# KiCad board Video Timer.kicad_pcb (continued)
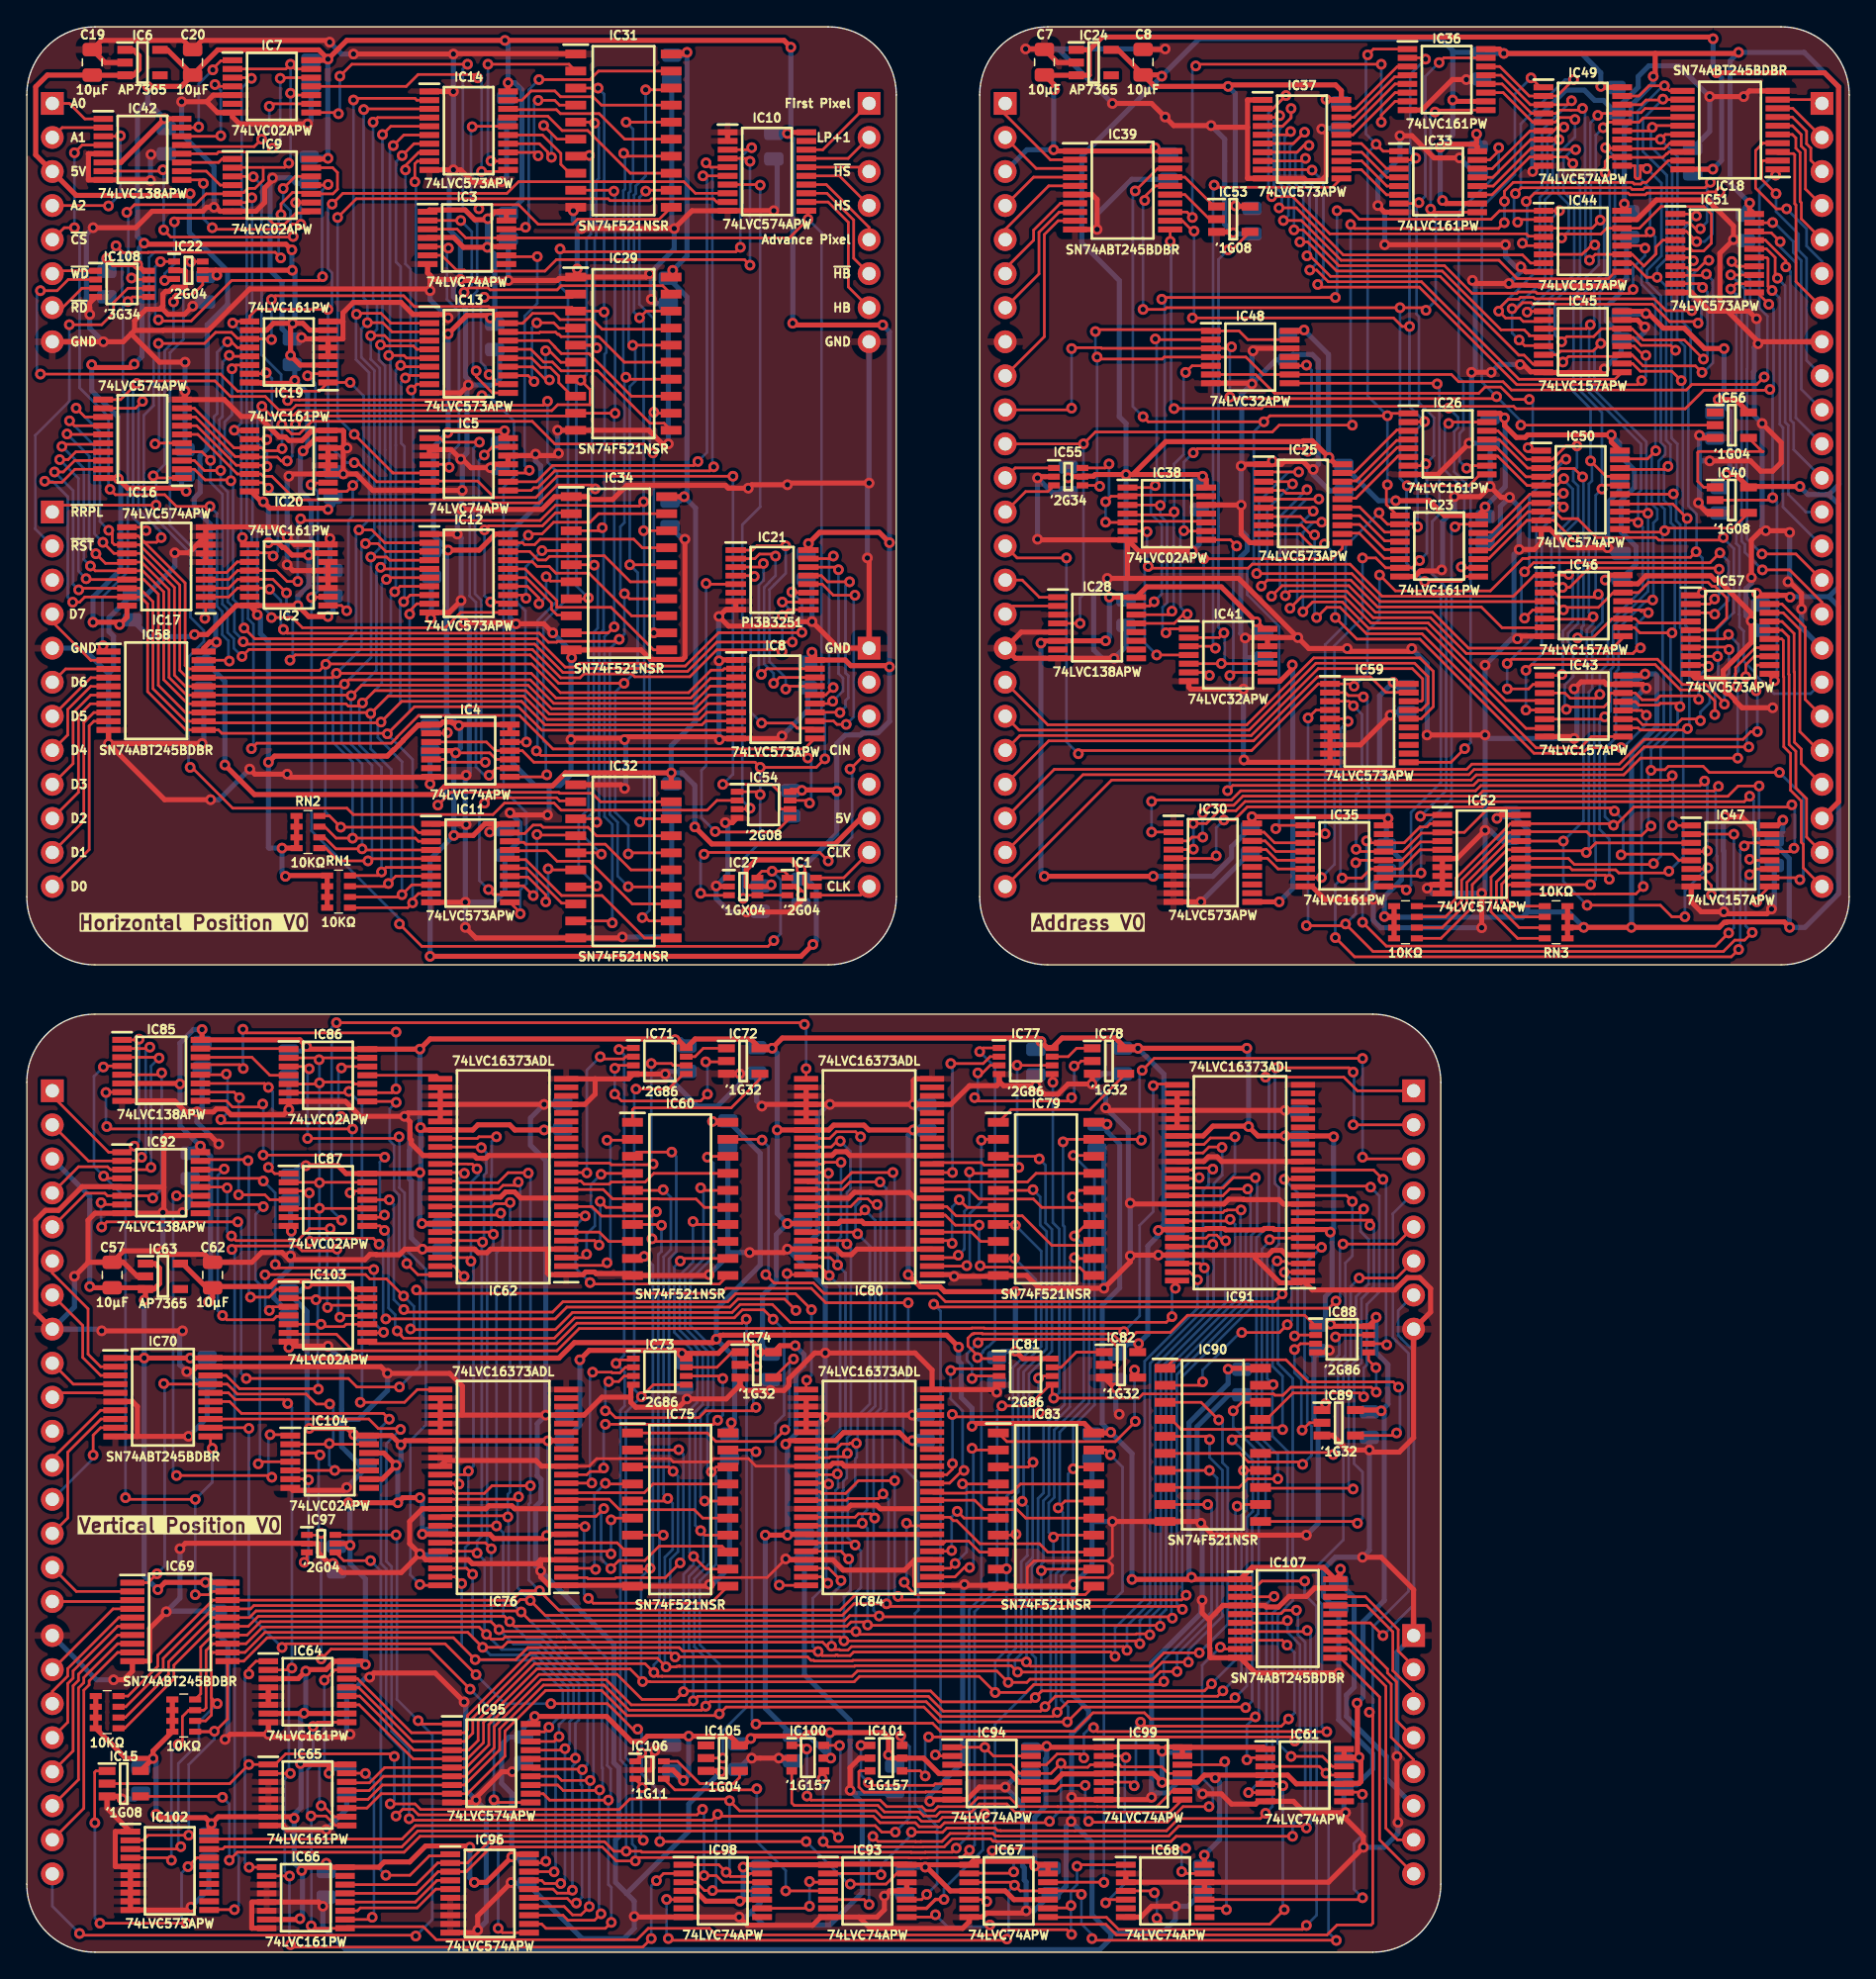
[diagram p0: board, top side]
## Routing (per net, layer and track width the routed paths; a pad name or vN(x,y) marks a point on that pad's centre or on a via; arc(x,y) is an arc through that point) (continued)
/Vertical Position/First Pixel: length 86.2
  Top w0.2: IC64.2 19.64,21.06 v1(19.78,21.2) ; v1(46.61,1.02) 45.97,0.38 19.87,0.38 v1(19.69,0.56) ; IC66.2 19.6,5.69 v1(19.61,5.68) ; v1(46.99,5.33) 47.53,5.87 IC98.2 ; IC70.16 15.05,41.73 15.54,41.24 19.17,41.24 v1(19.47,40.94) ; 18.05,13.33 v1(19.67,13.33)
  Bottom w0.2: v1(19.69,0.56) 19.61,0.64 v1(19.61,5.68) 19.25,6.04 19.25,12.92 v1(19.67,13.33) 19.56,13.45 19.56,20.97 v1(19.78,21.2) 19.78,40.63 v1(19.47,40.94) ; v1(46.61,1.02) 46.61,4.95 v1(46.99,5.33)
/Vertical Position/First Pixel _{HALF CYCLE}: length 83.2
  Top w0.2: v1(47.75,3.94) 47.77,3.92 IC98.5 ; 70.55,5.22 73.5,5.22 v1(73.72,5) 74.14,4.57 IC67.11 78.46,4.57 v1(78.71,4.32) ; v1(97.74,0.88) 97.72,0.89 79.63,0.89 v1(79.5,1.02) ; v1(73.15,0.98) 73.06,0.89 48.01,0.89 v1(47.88,1.02) ; IC61.3 96.46,13.86 v1(96.97,13.35) 97.11,13.21 IC61.11
  Bottom w0.2: v1(47.88,1.02) 47.75,1.14 v1(47.75,3.94) ; v1(73.15,0.98) 73.28,1.11 73.28,4.56 v1(73.72,5) ; v1(78.71,4.32) 78.71,2.11 79.5,1.32 v1(79.5,1.02) ; v1(97.74,0.88) 97.16,1.46 97.16,13.16 v1(96.97,13.35)
/Vertical Position/First Pixel _{IN}: length 5.4
  Top w0.2: 6.61,42.38 3.47,42.38 J11.9
/Vertical Position/First Row: length 51.2
  Top w0.2: 76.24,2.6 80.58,2.6 81.49,1.7 95.2,1.7 v1(95.5,2) ; v1(95.38,27.69) 92.18,27.69 91.67,27.17 IC107.2
  Bottom w0.2: v1(95.5,2) 96.26,2.76 96.26,25.79 95.38,26.68 v1(95.38,27.69)
/Vertical Position/First Row _{OUT}: length 8.9
  Top w0.2: 103.5,21.32 102.35,22.47 102.35,24.07 99.91,26.52 IC107.18
/Vertical Position/Front Porch Start D0: length 21.1
  Top w0.2: v1(48.76,29.04) 47.66,27.94 43.98,27.94 43.89,27.86 41.89,27.86 41.81,27.94 40.32,27.94 ; v1(48.65,37.49) 48.63,37.46 45.21,37.46
  Bottom w0.2: v1(48.65,37.49) 49,37.14 49,29.29 v1(48.76,29.04)
/Vertical Position/Front Porch Start D1: length 11.1
  Top w0.2: v1(43.18,34.98) 43.23,34.92 45.21,34.92 ; v1(42.45,28.56) 42.37,28.64 IC76.3
  Bottom w0.2: v1(42.45,28.56) 42.36,28.65 42.36,34.16 v1(43.18,34.98)
/Vertical Position/Front Porch Start D2: length 7.6
  Top w0.2: v1(43.6,32.25) 43.73,32.38 45.21,32.38 ; IC76.5 43.41,29.91 v1(43.6,29.72)
  Bottom w0.2: v1(43.6,32.25) v1(43.6,29.72)
/Vertical Position/Front Porch Start D3: length 4.8
  Top w0.2: 44.76,29.84 44.06,30.54 IC76.6
/Vertical Position/Front Porch Start D4: length 18
  Top w0.2: v1(41.91,26.4) 42.28,26.03 51.06,26.03 52.33,27.3 ; v1(41.66,31.75) 41.6,31.81 IC76.8
  Bottom w0.2: v1(41.91,26.4) 41.59,26.72 41.59,31.68 v1(41.66,31.75)
/Vertical Position/Front Porch Start D5: length 17.5
  Top w0.2: v1(43.06,33.09) 42.48,32.51 40.32,32.51 ; IC75.13 51.88,30.29 47.2,30.29 46.13,29.22 44.19,29.22 v1(43.59,28.62)
  Bottom w0.2: v1(43.59,28.62) 42.86,29.34 42.86,32.89 v1(43.06,33.09)
/Vertical Position/Front Porch Start D6: length 12.6
  Top w0.2: 40.33,33.79 43.46,33.79 44.24,33.01 49.82,33.01 50.45,32.38 IC75.15
/Vertical Position/Front Porch Start D7: length 12.3
  Top w0.2: IC75.17 46.74,34.92 46.09,34.28 40.33,34.28
/Vertical Position/Front Porch Start D8: length 13.5
  Top w0.2: IC76.13 42.16,34.99 v1(42.17,35) ; v1(42.23,43.27) 43.64,43.27 43.69,43.22 44.27,43.22 44.68,43.63 IC73.2
  Bottom w0.2: v1(42.17,35) 42.04,35.13 42.04,43.08 v1(42.23,43.27)
/Vertical Position/Front Porch Start D9: length 20.9
  Top w0.2: v1(43.05,36.12) 42.79,35.86 42.04,35.86 41.8,35.62 IC76.14 ; v1(43.18,39.39) 51.26,39.39 v1(51.56,39.69) ; IC73.6 51.76,42.98 v1(51.95,42.8)
  Bottom w0.2: v1(43.05,36.12) 43.05,39.26 v1(43.18,39.39) ; v1(51.95,42.8) 51.95,40.07 v1(51.56,39.69)
/Vertical Position/Horizontal Blank: length 30.9
  Top w0.2: v1(88.24,10.86) 86.3,10.86 85.13,9.69 79.31,9.69 v1(79.25,9.76) ; v1(78.99,12.45) 77.22,12.45 76.81,12.03 IC94.9 ; v1(89.08,22.76) 89.22,22.62 IC107.9
  Bottom w0.2: v1(78.99,12.45) 78.99,10.01 v1(79.25,9.76) ; v1(88.24,10.86) 88.52,11.14 88.52,12.19 87.72,12.99 87.72,21.4 v1(89.08,22.76)
/Vertical Position/Horizontal Blank _{IN}: length 64.7
  Top w0.2: v1(78.9,14.49) 78.6,14.79 76.9,14.79 76.1,13.98 IC94.12 ; v1(97.03,16.45) 94.5,16.45 94.49,16.46 79.91,16.46 v1(79.61,16.76) ; v1(99.45,50.29) 102.23,50.29 J12.6
  Bottom w0.2: v1(79.61,16.76) 79.37,16.76 78.9,16.28 v1(78.9,14.49) ; v1(99.45,50.29) 98.81,49.66 98.81,44.31 98.26,43.75 98.26,30.75 96.28,28.78 96.28,26.34 96.66,25.96 96.66,16.81 v1(97.03,16.45)
/Vertical Position/Horizontal Blank _{OUT}: length 18.4
  Top w0.2: J7.8 100.97,8.38 100.97,19.04 98.04,21.97
/Vertical Position/Horizontal Sync: length 10
  Top w0.2: IC101.1 62.26,15.43 v1(62.26,15.43) ; 68.95,12.56 67.81,12.56 67.69,12.45 63.02,12.45 v1(62.81,12.65)
  Bottom w0.2: v1(62.81,12.65) 62.26,13.21 v1(62.26,15.43)
/Vertical Position/Horizontal Sync _{IN}: length 75.9
  Top w0.2: v1(97.71,48.58) 97.18,48.04 92.75,48.04 92.66,48.13 67.9,48.13 v1(67.69,48.34) ; IC94.2 67.89,14.63 v1(67.81,14.72) ; v1(98.23,52.83) 102.23,52.83 J12.5
  Bottom w0.2: v1(98.23,52.83) 98.01,52.61 98.01,48.88 v1(97.71,48.58) ; v1(67.81,14.72) 68.2,15.11 68.2,47.83 v1(67.69,48.34)
/Vertical Position/Horizontal Sync _{OUT}: length 11
  Top w0.2: J7.4 102.23,17.27 102.23,20.16 101.56,20.84 101.56,21.12 98.76,23.92 IC107.14
/Vertical Position/Horizontal Sync _{SEL}: length 45.5
  Top w0.2: v1(94.09,24.74) 93.91,24.57 90.56,24.57 ; IC101.4 66.67,13.53 v1(67.06,13.15) ; v1(67.31,16.06) 94.33,16.06 v1(94.64,15.75)
  Bottom w0.2: v1(94.09,24.74) 94.09,23.87 95.01,22.95 95.01,16.12 v1(94.64,15.75) ; v1(67.06,13.15) 67.06,15.81 v1(67.31,16.06)
/Vertical Position/Interrupt D0: length 17.2
  Top w0.2: v1(94.08,46.81) 93.49,46.23 v1(90.68,46.23) ; IC91.2 93.87,50.74 v1(93.86,50.73) ; v1(87.76,42.54) 87.5,42.29 IC90.2
  Bottom w0.2: v1(87.76,42.54) 87.76,43.43 90.55,46.23 v1(90.68,46.23) ; v1(93.86,50.73) 94.4,50.19 94.4,47.13 v1(94.08,46.81)
/Vertical Position/Interrupt D1: length 23.8
  Top w0.2: v1(93.32,51.57) 93.36,51.53 93.99,51.53 94.15,51.37 IC91.3 ; 85.41,39.75 86.15,39.01 90.89,39.01 91.01,39.13 93.59,39.13 v1(93.73,38.99)
  Bottom w0.2: v1(93.73,38.99) 93.73,42.97 92.98,43.72 92.98,51.23 v1(93.32,51.57)
/Vertical Position/Interrupt D2: length 29.1
  Top w0.2: 95.31,52.58 96.63,52.58 v1(96.63,52.58) ; IC90.6 90.53,37.21 91.17,36.58 95.04,36.58 v1(95.22,36.4)
  Bottom w0.2: v1(96.63,52.58) 95.37,51.32 95.37,43.05 95.57,42.85 95.57,39.55 95.89,39.24 95.89,37.06 v1(95.22,36.4)
/Vertical Position/Interrupt D3: length 29.8
  Top w0.2: v1(92.75,53.16) 92.87,53.28 IC91.6 ; IC90.8 90.48,34.67 91.12,35.31 v1(93.37,35.31)
  Bottom w0.2: v1(93.37,35.31) 93.37,37.11 92.18,38.31 92.18,43.39 92.18,52.45 92.75,53.02 v1(92.75,53.16)
/Vertical Position/Interrupt D4: length 36.2
  Top w0.2: 95.31,54.61 100.37,54.61 100.37,54.36 v1(100.25,54.23) ; IC90.11 99.19,32.13 v1(99.31,32)
  Bottom w0.2: v1(99.31,32) 99.69,32.38 99.69,35.81 99.06,36.45 99.06,43.42 99.61,43.97 99.61,48.74 100.55,49.68 100.55,53.93 v1(100.25,54.23)
/Vertical Position/Interrupt D5: length 33.5
  Top w0.2: IC91.9 99.52,55.18 v1(99.78,55.44) ; 92.14,34.61 98.94,34.61 v1(98.99,34.56)
  Bottom w0.2: v1(98.99,34.56) 98.66,34.89 98.66,43.59 99.21,44.14 99.21,48.91 100.15,49.84 100.15,53.17 99.55,53.77 99.55,55.21 v1(99.78,55.44)
/Vertical Position/Interrupt D6: length 28.8
  Top w0.2: IC91.11 98.49,56.45 v1(98.93,56.01) ; v1(97.51,37.13) 97.36,37.28 92.15,37.28
  Bottom w0.2: v1(98.93,56.01) 98.93,51.94 98.41,51.42 98.41,44.47 97.86,43.92 97.86,37.48 v1(97.51,37.13)
/Vertical Position/Interrupt D7: length 29.6
  Top w0.2: v1(100.3,57.07) 100.22,57.15 95.31,57.15 ; 92.53,39.75 94.5,41.72 99.5,41.72 v1(99.78,41.43)
  Bottom w0.2: v1(100.3,57.07) 100.95,56.42 100.95,49.26 100.01,48.32 100.01,43.81 99.78,43.58 v1(99.78,41.43)
/Vertical Position/Interrupt D8: length 15.1
  Top w0.2: IC88.2 94.69,46.04 v1(94.62,45.97) ; v1(93.85,57.66) 95.19,57.66
  Bottom w0.2: v1(93.85,57.66) 94.85,56.66 94.85,46.2 v1(94.62,45.97)
/Vertical Position/Interrupt D9: length 20.1
  Top w0.2: IC91.14 100.52,58.36 v1(101.22,57.66) ; IC88.6 101.42,45.39 v1(101.5,45.31)
  Bottom w0.2: v1(101.22,57.66) 101.44,57.43 101.44,45.37 v1(101.5,45.31)
/Vertical Position/Interrupt Enable: length 47.7
  Top w0.2: v1(46.01,8.35) 45.71,8.64 29.35,8.64 28.16,7.45 15.71,7.45 v1(15.11,6.86) ; v1(45.93,12.27) 45.93,12.38 45.42,12.89 ; v1(14.61,11.56) 14.54,11.62 IC15.4
  Bottom w0.2: v1(45.93,12.27) 45.85,12.19 45.85,8.51 v1(46.01,8.35) ; v1(15.11,6.86) 15.11,11.05 v1(14.61,11.56)
/Vertical Position/Last Pixel + 1: length 77.6
  Top w0.2: IC98.12 51.95,5.22 51.46,5.71 v1(50.55,5.71) ; IC70.15 15.14,41.08 16.02,40.19 26.62,40.19 v1(27.05,39.77) ; v1(50.43,10.66) 50.02,10.25 44.4,10.25 44.39,10.24 42.56,10.24 42.55,10.25 29.23,10.25 28.82,10.65 28.05,10.65 v1(27.56,10.16)
  Bottom w0.2: v1(50.55,5.71) 50.55,5.72 50.55,10.55 v1(50.43,10.66) ; v1(27.56,10.16) 28.13,10.74 28.13,15.01 26.82,16.32 26.82,28.61 26.44,28.99 26.44,39.15 v1(27.05,39.77)
/Vertical Position/Last Pixel + 1 _{HALF CYCLE}: length 6.8
  Top w0.2: IC98.9 58.26,3.27 v1(58.42,3.43) ; 59.8,5.22 58.47,5.22 v1(58.42,5.27)
  Bottom w0.2: v1(58.42,3.43) v1(58.42,5.27)
/Vertical Position/Last Pixel + 1 _{IN}: length 4.4
  Top w0.2: 2.23,41.73 IC70.5
/Vertical Position/Last Row + 1: length 19.2
  Top w0.2: IC61.6 v1(91.19,11.91) ; v1(93.09,26.54) 93.06,26.52 IC107.3
  Bottom w0.2: v1(91.19,11.91) 92.52,13.24 92.52,25.97 v1(93.09,26.54)
/Vertical Position/Last Row + 1 _{OUT}: length 11.1
  Top w0.2: IC107.17 99.99,25.87 101.96,23.9 101.96,21.01 103.5,19.46 J7.3
/Vertical Position/R0: length 182.1
  Top w0.2: 45.21,59.37 45.52,59.69 v1(48.13,59.69) ; IC90.3 87.65,41.02 v1(88.96,39.71) ; v1(75.56,59.18) 75.38,59.37 IC79.3 ; v1(48.23,35.88) 47.91,36.19 45.21,36.19 ; IC83.3 74.75,36.19 v1(75.1,36.55) ; v1(87.51,22.34) 84.88,22.34 83.88,21.34 74.92,21.34 v1(74.6,21.65) 74.48,21.77 61.66,21.77 61.61,21.73 58.77,21.73 58.72,21.77 58.54,21.77 58.28,22.03 v1(48.38,22.03) 48.08,22.33 40.37,22.33 40.37,22.33 37.57,22.33 32.89,17.65 32.89,16.59 32.67,16.37 IC95.2 28.71,16.37 24.68,20.41 23.88,20.41
  Bottom w0.2: v1(87.51,22.34) 89.64,24.47 89.64,36.12 89.24,36.52 89.24,39.43 v1(88.96,39.71) ; v1(75.56,59.18) 76.03,58.71 76.03,54.41 76.51,53.93 76.51,44.84 74.8,43.13 74.8,36.85 v1(75.1,36.55) 75.08,36.52 75.08,29.43 74.62,28.97 74.62,21.67 v1(74.6,21.65) ; v1(48.13,59.69) 48.47,59.35 48.47,52.25 47.93,51.71 47.93,36.18 v1(48.23,35.88) 48.6,35.51 48.6,29.88 48.02,29.29 48.02,22.39 v1(48.38,22.03)
/Vertical Position/R1: length 173.9
  Top w0.2: IC79.5 75.04,56.83 v1(75.1,56.89) ; v1(88.28,38.24) 88.03,38.48 IC90.5 ; v1(74.3,33.64) 74.28,33.65 72.51,33.65 ; 45.21,56.83 47.44,56.83 v1(47.5,56.89) ; 23.88,19.76 24.76,19.76 28.8,15.72 IC95.3 32.67,15.72 33.29,16.34 33.29,17.48 37.73,21.93 47.07,21.93 v1(47.71,21.28) 48.47,21.28 48.52,21.33 48.67,21.33 48.72,21.37 48.77,21.33 61.78,21.33 61.82,21.37 73.47,21.37 v1(73.95,20.9) 84,20.9 84.74,21.64 v1(86.69,21.64) ; v1(47.84,33.85) 47.64,33.65 45.21,33.65
  Bottom w0.2: v1(73.95,20.9) 73.75,21.09 73.75,21.79 74.22,22.26 74.22,29.13 74.68,29.59 74.68,33.26 v1(74.3,33.64) 74.4,33.74 74.4,43.3 76.11,45.01 76.11,53.76 75.63,54.24 75.63,56.35 v1(75.1,56.89) ; v1(47.5,56.89) 48.07,56.31 48.07,52.42 47.53,51.88 47.53,34.16 v1(47.84,33.85) 48.2,33.48 48.2,30.04 47.62,29.46 47.62,21.38 v1(47.71,21.28) ; v1(88.28,38.24) 88.28,36.92 89.24,35.96 89.24,25.06 86.69,22.51 v1(86.69,21.64)
/Vertical Position/R2: length 165.4
  Top w0.2: 45.21,54.29 47.31,54.29 v1(47.37,54.23) ; v1(73.83,31.17) 73.77,31.11 IC83.7 ; v1(73.79,54.23) 73.72,54.29 IC79.7 ; IC90.7 v1(88.26,35.94) ; 23.88,19.11 24.85,19.11 28.88,15.07 IC95.4 32.97,15.07 33.69,15.79 33.69,17.32 37.9,21.53 46.14,21.53 v1(46.8,20.87) 47.09,20.59 47.42,20.59 47.42,20.58 61.6,20.58 61.99,20.97 72.4,20.97 v1(73.25,20.13) 74.64,20.13 74.88,20.36 84.04,20.36 84.61,20.94 v1(85.85,20.94) ; 45.21,31.11 v1(47.5,31.11)
  Bottom w0.2: v1(85.85,20.94) 85.85,22.24 88.84,25.22 88.84,35.37 v1(88.26,35.94) ; v1(73.79,54.23) 75.71,52.3 75.71,45.17 74,43.46 74,34.33 73.6,33.93 73.6,31.41 v1(73.83,31.17) 73.82,31.16 73.82,22.67 73.25,22.1 v1(73.25,20.13) ; v1(46.8,20.87) 46.8,21.44 47.22,21.86 47.22,30.83 v1(47.5,31.11) 47.13,31.49 47.13,52.05 47.37,52.29 v1(47.37,54.23)
/Vertical Position/R3: length 155.9
  Top w0.2: 23.88,18.46 24.8,18.46 28.84,14.42 IC95.5 32.88,14.42 34.09,15.63 34.09,17.15 38.06,21.13 40.86,21.13 40.86,21.13 45.03,21.13 v1(45.96,20.19) 46.49,20.19 46.51,20.17 61.75,20.17 62.16,20.57 71.08,20.57 v1(72.28,19.38) 74.56,19.38 75.15,19.96 84.63,19.96 v1(84.86,20.2) ; IC79.9 73.7,51.75 v1(73.72,51.77) ; 45.21,28.57 46.46,28.57 v1(46.52,28.64) ; 84.96,33.4 v1(88.14,33.4) ; v1(46.07,51.91) 45.92,51.75 45.21,51.75
  Bottom w0.2: v1(84.86,20.2) 84.86,21.81 88.42,25.37 88.42,33.12 v1(88.14,33.4) ; v1(46.07,51.91) 46.73,51.25 46.73,28.85 v1(46.52,28.64) 45.85,27.97 45.85,20.31 v1(45.96,20.19) ; v1(73.72,51.77) 75.31,50.18 75.31,45.34 73.59,43.62 73.59,34.49 73.13,34.03 73.13,28.62 v1(73.12,28.6) 73.12,22.54 72.28,21.69 v1(72.28,19.38)
/Vertical Position/R4: length 165.7
  Top w0.2: 92.08,33.4 90.47,33.4 v1(90.34,33.27) ; v1(88.42,20.03) 87.89,19.5 75.76,19.5 v1(75.27,19) 74.94,18.68 68.27,18.68 67.46,19.49 49.07,19.49 v1(49.01,19.43) 48.43,18.85 45.93,18.85 44.05,20.73 38.23,20.73 34.49,16.98 34.49,15.46 32.8,13.77 IC95.6 26.71,13.77 25.57,12.63 23.95,12.63 ; 79.06,51.75 78.25,51.75 v1(78.19,51.82) ; v1(48.77,51.56) 48.96,51.75 IC60.12 ; v1(49.76,29.52) 50.71,28.57 IC75.12 ; IC83.12 75.83,28.57 v1(75.72,28.47)
  Bottom w0.2: v1(90.34,33.27) 90.21,33.15 90.21,21.82 v1(88.42,20.03) ; v1(49.01,19.43) 49.09,19.51 49.09,22.39 49.02,22.46 49.02,28.19 49.76,28.93 v1(49.76,29.52) 49.47,29.81 49.47,40.45 50.05,41.03 50.05,44.46 49.59,44.92 49.59,44.97 48.33,46.24 48.33,51.12 v1(48.77,51.56) ; v1(78.19,51.82) 77.85,51.48 77.85,40.69 76.29,39.12 76.29,34.09 75.88,33.68 75.88,29.09 75.72,28.94 v1(75.72,28.47) 75.72,19.45 v1(75.27,19)
/Vertical Position/R5: length 174.4
  Top w0.2: IC83.14 76.77,31.11 v1(76.62,30.97) ; v1(89.27,19.5) 88.87,19.1 76.77,19.1 v1(76,18.32) 75.66,17.98 68.4,17.98 67.29,19.09 50.08,19.09 v1(49.75,18.75) 49.45,18.45 45.12,18.45 43.24,20.33 38.4,20.33 34.89,16.82 34.89,15.25 32.75,13.12 IC95.7 26.62,13.12 25.55,12.05 23.88,12.05 ; v1(50.29,31.45) 50.62,31.11 IC75.14 ; v1(49.72,54.51) 49.94,54.29 IC60.14 ; IC90.14 v1(90.8,35.94) ; 79.05,54.29 v1(78.19,53.43)
  Bottom w0.2: v1(49.75,18.75) 49.75,22.3 49.42,22.62 49.42,28.03 50.5,29.11 50.5,31.24 v1(50.29,31.45) 49.89,31.85 49.89,40.31 50.45,40.86 50.45,44.63 49.99,45.08 49.99,45.14 48.73,46.4 48.73,50.5 49.72,51.49 v1(49.72,54.51) ; v1(78.19,53.43) 78.89,52.73 78.89,41.16 76.69,38.96 76.69,33.93 76.28,33.52 76.28,31.31 v1(76.62,30.97) 76.62,28.61 76.42,28.4 76.42,18.74 v1(76,18.32) ; v1(89.27,19.5) 90.66,20.88 90.66,32.6 91.04,32.98 91.04,35.71 v1(90.8,35.94)
/Vertical Position/R6: length 185.7
  Top w0.2: IC79.16 78.52,56.83 v1(78.04,56.35) ; v1(76.98,33.15) 77.48,33.65 79.63,33.65 ; 52.33,33.65 50.59,33.65 v1(50.59,33.66) ; v1(90.18,18.99) 89.88,18.7 77.7,18.7 v1(76.9,17.9) 76.59,17.58 68.23,17.58 67.13,18.69 51.01,18.69 v1(50.67,18.35) 50.37,18.05 44.95,18.05 43.08,19.93 38.56,19.93 35.29,16.65 35.29,15.09 32.67,12.47 IC95.8 26.54,12.47 25.47,11.4 23.88,11.4 ; v1(50.29,57.02) 50.48,56.83 IC60.16 ; v1(89.96,38.23) 90.21,38.48 IC90.16
  Bottom w0.2: v1(50.29,57.02) 50.51,56.81 50.51,51.71 49.13,50.33 49.13,46.57 50.39,45.31 50.39,45.25 50.85,44.8 50.85,40.7 50.29,40.14 50.29,33.95 v1(50.59,33.66) 50.99,33.26 50.99,29.03 49.82,27.86 49.82,22.79 50.67,21.94 v1(50.67,18.35) ; v1(90.18,18.99) 91.06,19.87 91.06,32.44 91.5,32.89 91.5,36.68 v1(89.96,38.23) ; v1(78.04,56.35) 79.29,55.11 79.29,40.99 77.09,38.79 77.09,33.26 v1(76.98,33.15) 77.32,32.8 77.32,28.74 76.82,28.23 76.82,17.99 v1(76.9,17.9)
/Vertical Position/R7: length 194.2
  Top w0.2: IC83.18 78.23,36.19 v1(78.1,36.07) ; 23.88,10.75 25.38,10.75 26.45,11.82 IC95.9 32.89,11.82 35.69,14.62 35.69,16.49 38.73,19.53 42.91,19.53 44.78,17.65 51.56,17.65 v1(51.69,17.78) 52.2,18.29 66.96,18.29 68.07,17.18 v1(77.66,17.18) 78.77,18.29 90.93,18.29 v1(90.97,18.25) ; v1(90.04,40.39) 90.68,41.02 IC90.18 ; v1(78.1,59.44) 79.57,59.44 ; v1(50.8,59.31) 50.86,59.37 IC60.18 ; IC75.18 51.45,36.19 v1(51.09,35.83)
  Bottom w0.2: v1(50.8,59.31) 51.25,58.86 51.25,51.88 49.53,50.16 49.53,46.74 50.79,45.47 50.79,45.41 51.25,44.96 51.25,40.53 50.8,40.09 50.8,36.12 v1(51.09,35.83) 51.43,35.49 51.43,28.91 50.22,27.7 50.22,22.95 51.69,21.49 v1(51.69,17.78) ; v1(90.97,18.25) 91.46,18.74 91.46,32.27 91.91,32.72 91.91,37.32 90.04,39.19 v1(90.04,40.39) ; v1(78.1,59.44) 79.69,57.85 79.69,40.83 78.1,39.24 v1(78.1,36.07) 77.72,35.69 77.72,28.57 77.22,28.07 77.22,18.8 77.72,18.29 77.72,17.24 v1(77.66,17.18)
/Vertical Position/R8: length 204.4
  Top w0.2: v1(44.2,67.34) 44.32,67.46 IC71.1 ; IC77.1 71.4,67.46 v1(71.12,67.18) ; IC88.1 95.38,47.51 86.63,47.51 85.36,46.24 82.82,46.24 82.17,45.59 81.59,45.59 81.05,46.13 71.32,46.13 71.28,46.16 70.7,46.16 70.66,46.13 70.56,46.13 70.24,45.81 70.24,45.23 70.96,44.51 v1(70.96,44.36) 71.03,44.28 IC81.1 ; v1(43.98,43.92) 44.24,44.19 45.09,44.19 ; IC66.14 29.05,5.04 30.67,6.66 IC96.2 32.89,6.66 34.48,8.24 43.12,8.24 43.83,7.53 v1(44.73,7.53) 45.84,7.53 45.91,7.46 66,7.46 66.01,7.45 67.05,7.45 67.06,7.46 69.07,7.46 v1(69.37,7.76)
  Bottom w0.2: v1(44.2,67.34) 44.59,66.95 44.59,44.53 v1(43.98,43.92) 44.62,43.29 44.62,40.76 44.3,40.44 44.3,14.34 44.73,13.91 v1(44.73,7.53) ; v1(71.12,67.18) 72.27,66.04 72.27,45.67 71.77,45.17 71.69,45.17 71.37,44.85 71.37,44.77 71.32,44.73 v1(70.96,44.36) 71.25,44.07 71.25,26.47 70.34,25.57 70.34,8.73 v1(69.37,7.76)
/Vertical Position/R9: length 207.1
  Top w0.2: v1(45.88,41.44) 46.76,42.33 IC73.5 ; IC66.13 29.08,4.39 30.7,6.01 IC96.3 32.8,6.01 34.64,7.84 42.96,7.84 44,6.8 v1(45.42,6.8) 45.67,7.06 65.83,7.06 65.84,7.05 66.71,7.05 66.71,7.01 66.73,7.01 66.75,7.03 66.81,7.03 66.82,7.05 67.22,7.05 67.23,7.06 69.8,7.06 v1(70.36,7.62) ; IC81.5 76.52,41.45 v1(76.64,41.33) 82.99,41.33 83.3,41.65 93.06,41.65 93.16,41.55 93.77,41.55 94.36,42.14 100.36,42.14 v1(100.72,41.78) ; v1(72.78,40.76) 74.79,40.76 76.37,42.33 ; v1(100.69,43.61) 100.15,44.16 IC88.5 ; 49,65.51 47.88,64.39 v1(45.47,64.39) ; IC77.5 76.52,64.95 v1(76.58,64.9)
  Bottom w0.2: v1(72.78,40.76) 72.42,40.4 72.42,27.08 70.74,25.4 70.74,8 v1(70.36,7.62) ; v1(45.42,6.8) 45.43,6.82 45.43,7.82 45.19,8.06 45.19,14.02 44.7,14.5 44.7,40.27 v1(45.88,41.44) 45.34,41.98 45.34,64.26 v1(45.47,64.39) ; v1(100.69,43.61) 100.72,43.58 v1(100.72,41.78) ; v1(76.64,41.33) 77.05,41.74 77.05,53.96 76.58,54.43 v1(76.58,64.9)
/Vertical Position/R10: length 8.5
  Top w0.2: IC66.12 29,3.74 30.62,5.36 31.61,5.36
/Vertical Position/R11: length 8.5
  Top w0.2: IC66.11 24.68,3.09 24.89,3.3 29.13,3.3 30.53,4.71 IC96.5
/Vertical Position/Read Row High: length 8.5
  Top w0.2: v1(21.02,35.24) 20.96,35.31 19.68,35.31 ; IC97.3 20.91,29.29 v1(20.7,29.08)
  Bottom w0.2: v1(20.7,29.08) 21.02,29.41 v1(21.02,35.24)
/Vertical Position/Read Row High ~{CS}: length 26.8
  Top w0.2: IC92.10 17.5,55.78 v1(17.65,55.62) ; IC104.4 17.43,36.59 v1(17.27,36.43)
  Bottom w0.2: v1(17.27,36.43) 17.4,36.56 17.4,49.81 17.07,50.13 17.07,55.04 v1(17.65,55.62)
/Vertical Position/Read Row Low: length 55.3
  Top w0.2: v1(35.18,1.78) 35.5,1.46 37.48,1.46 ; v1(34.86,11.37) 35.06,11.17 IC95.11 ; v1(21.97,21.87) 22.7,22.61 30.11,22.61 v1(33.09,19.62) ; 20.92,31.11 21.84,31.11 v1(21.97,31.24) ; v1(21.88,37.1) 21.74,37.24 IC104.3
  Bottom w0.2: v1(21.88,37.1) 21.78,37 21.78,31.43 v1(21.97,31.24) v1(21.97,21.87) ; v1(33.09,19.62) 34.86,17.85 v1(34.86,11.37) 35.18,11.05 v1(35.18,1.78)
/Vertical Position/Read Row Low ~{CS}: length 34.8
  Top w0.2: IC92.11 v1(11.18,56.43) ; v1(18.29,35.43) 18.16,35.56 v1(11.18,35.56) ; v1(18.16,38.61) 19.6,38.61
  Bottom w0.2: v1(11.18,56.43) 10.92,56.17 10.92,35.81 v1(11.18,35.56) ; v1(18.16,38.61) 18.03,38.48 18.03,35.69 v1(18.29,35.43)
/Vertical Position/Reset Disable ~{CS}: length 130.3
  Top w0.2: v1(29.08,49.4) 29.34,49.15 51.82,49.15 52.19,49.53 58.55,49.53 59.63,48.45 v1(65.79,48.45) ; v1(5.54,55.92) 5.68,55.78 7.11,55.78 ; IC93.10 66.78,3.92 v1(67.17,4.31) ; v1(5.59,54.1) 5.97,54.48 v1(15.75,54.48) ; v1(27.81,42.16) 24.64,42.16 24,42.8 v1(16.38,42.8)
  Bottom w0.2: v1(5.54,55.92) 5.54,54.15 v1(5.59,54.1) ; v1(15.75,54.48) 16,54.23 16,52.14 15.99,52.13 15.99,43.19 v1(16.38,42.8) ; v1(29.08,49.4) 29.34,49.15 29.34,43.69 v1(27.81,42.16) ; v1(67.17,4.31) 67.94,5.09 67.94,9.4 66.29,11.05 66.29,25.27 66.55,25.53 66.55,35.05 65.41,36.19 65.41,42.54 65.79,42.93 v1(65.79,48.45)
/Vertical Position/Sync Start D0: length 14.1
  Top w0.2: v1(43.31,51.43) 43.11,51.23 40.44,51.23 ; v1(43.31,60.58) 45.14,60.58
  Bottom w0.2: v1(43.31,51.43) 43.56,51.69 43.56,60.32 v1(43.31,60.58)
/Vertical Position/Sync Start D1: length 10.7
  Top w0.2: IC62.3 41.53,51.82 v1(41.78,52.07) ; 45.21,58.1 42.93,58.1 v1(42.86,58.03)
  Bottom w0.2: v1(42.86,58.03) 42.1,57.27 42.1,55.59 42.4,55.29 42.4,54.18 41.78,53.57 v1(41.78,52.07)
/Vertical Position/Sync Start D2: length 8.5
  Top w0.2: v1(42.71,52.75) 42.37,53.09 IC62.5 ; v1(42.8,56.01) 43.24,55.56 45.21,55.56
  Bottom w0.2: v1(42.71,52.75) 42.72,52.75 42.8,52.83 v1(42.8,56.01)
/Vertical Position/Sync Start D3: length 5.2
  Top w0.2: IC62.6 42.73,53.72 43.43,53.02 45.21,53.02
/Vertical Position/Sync Start D4: length 17.8
  Top w0.2: IC62.8 41.61,54.99 v1(41.68,54.93) ; v1(42.04,49.95) 42.15,49.85 51.69,49.85 IC60.11
  Bottom w0.2: v1(41.68,54.93) 40.96,54.2 40.96,51.04 v1(42.04,49.95)
/Vertical Position/Sync Start D5: length 15.1
  Top w0.2: IC60.13 46.86,53.02 v1(46.66,53.22) ; IC62.9 42.19,55.63 42.9,54.92 46.66,54.92 v1(46.99,55.24)
  Bottom w0.2: v1(46.66,53.22) 46.66,54.92 v1(46.99,55.24)
/Vertical Position/Sync Start D6: length 12.6
  Top w0.2: IC60.15 50.58,55.56 49.96,56.19 47.16,56.19 47.14,56.21 43.72,56.21 43.03,56.9 IC62.11
/Vertical Position/Sync Start D7: length 12.5
  Top w0.2: IC60.17 46.8,58.1 46.15,57.46 43.62,57.46 43.46,57.3 41.59,57.3 41.36,57.53 IC62.12
/Vertical Position/Sync Start D8: length 13.2
  Top w0.2: IC71.2 44.71,66.81 44.54,66.64 42.96,66.64 v1(42.8,66.8) ; v1(41.8,58.14) 41.77,58.17 IC62.13